# KiCad board mx-corne-xiao_Encoder_extrakey.kicad_pcb
title: mx-corne-xiao-zero; date: 2024-09-09; rev: 2.1; note: Author : Friction
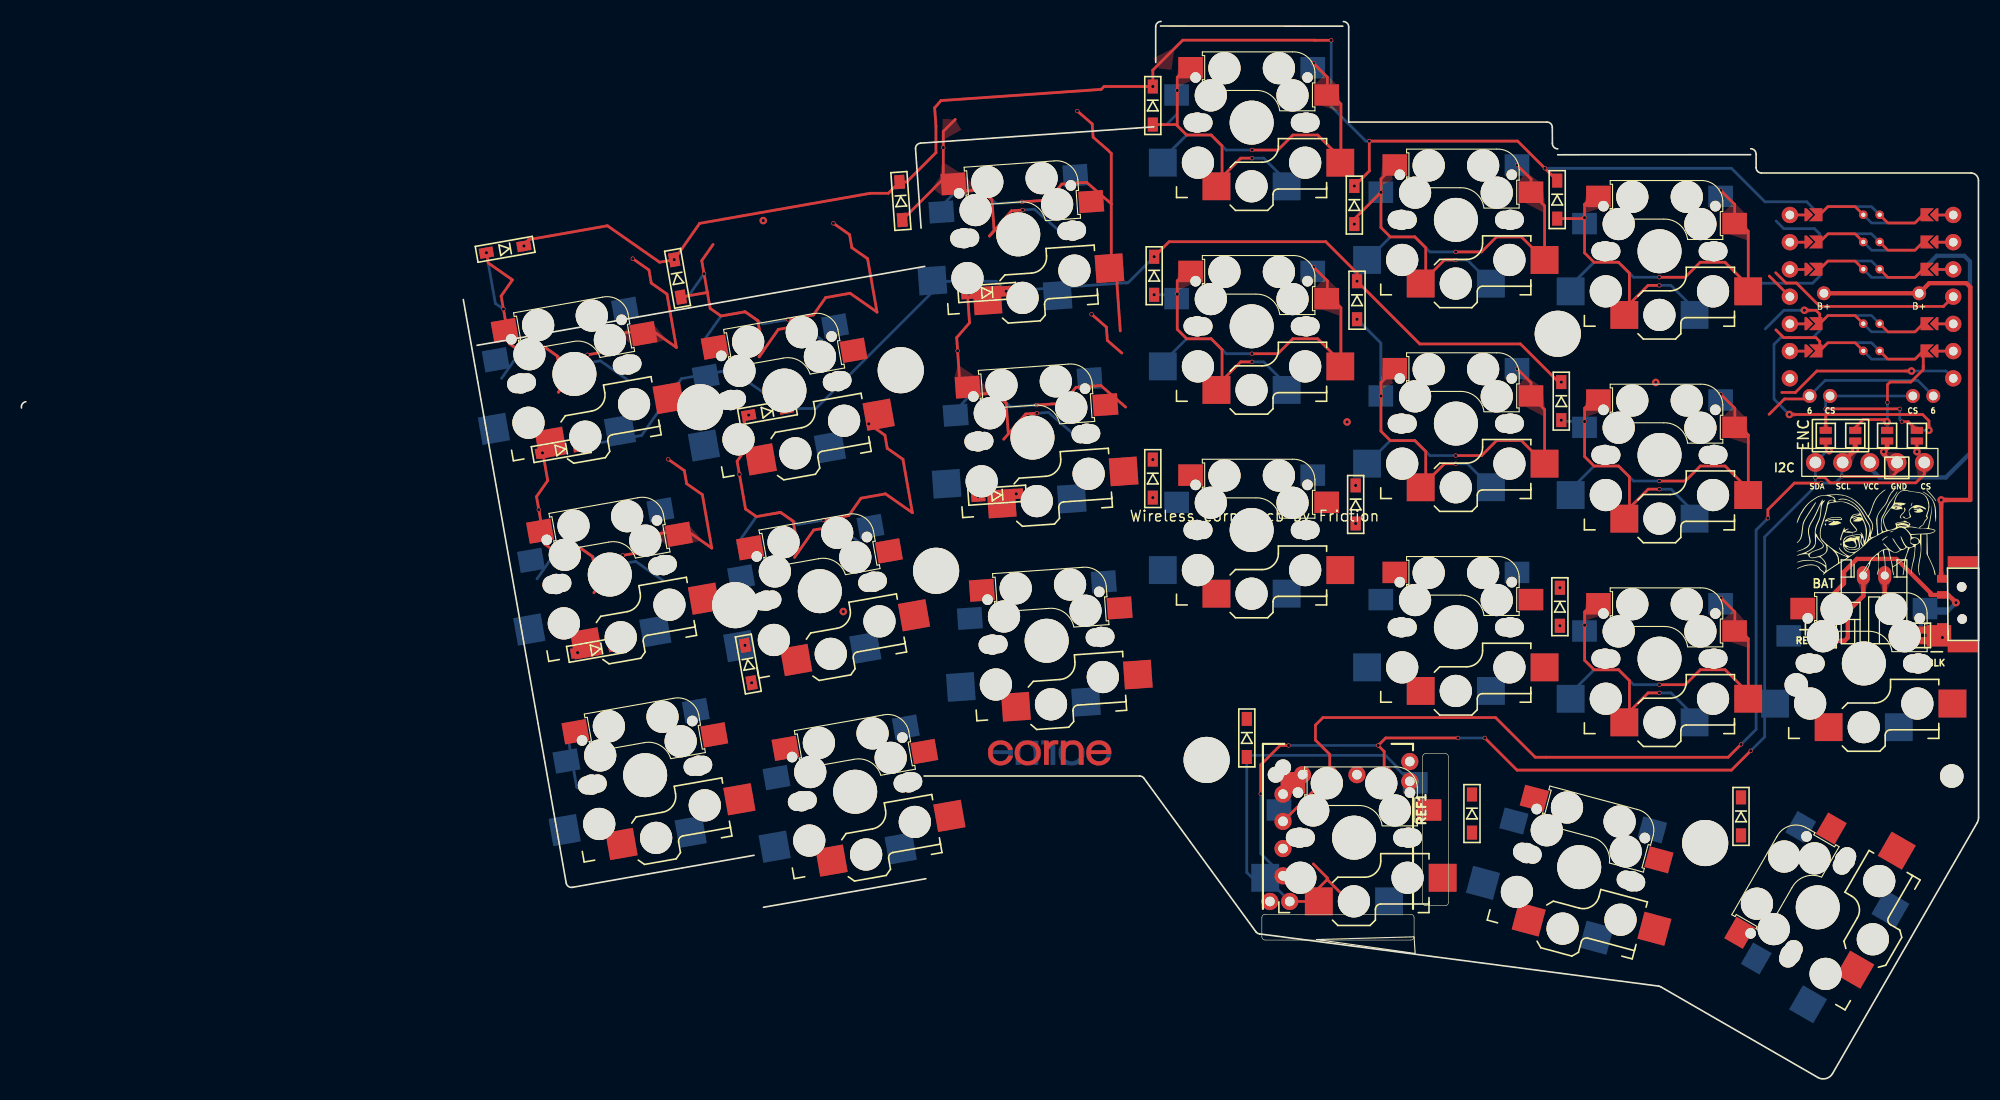
[diagram p0: board, top side]
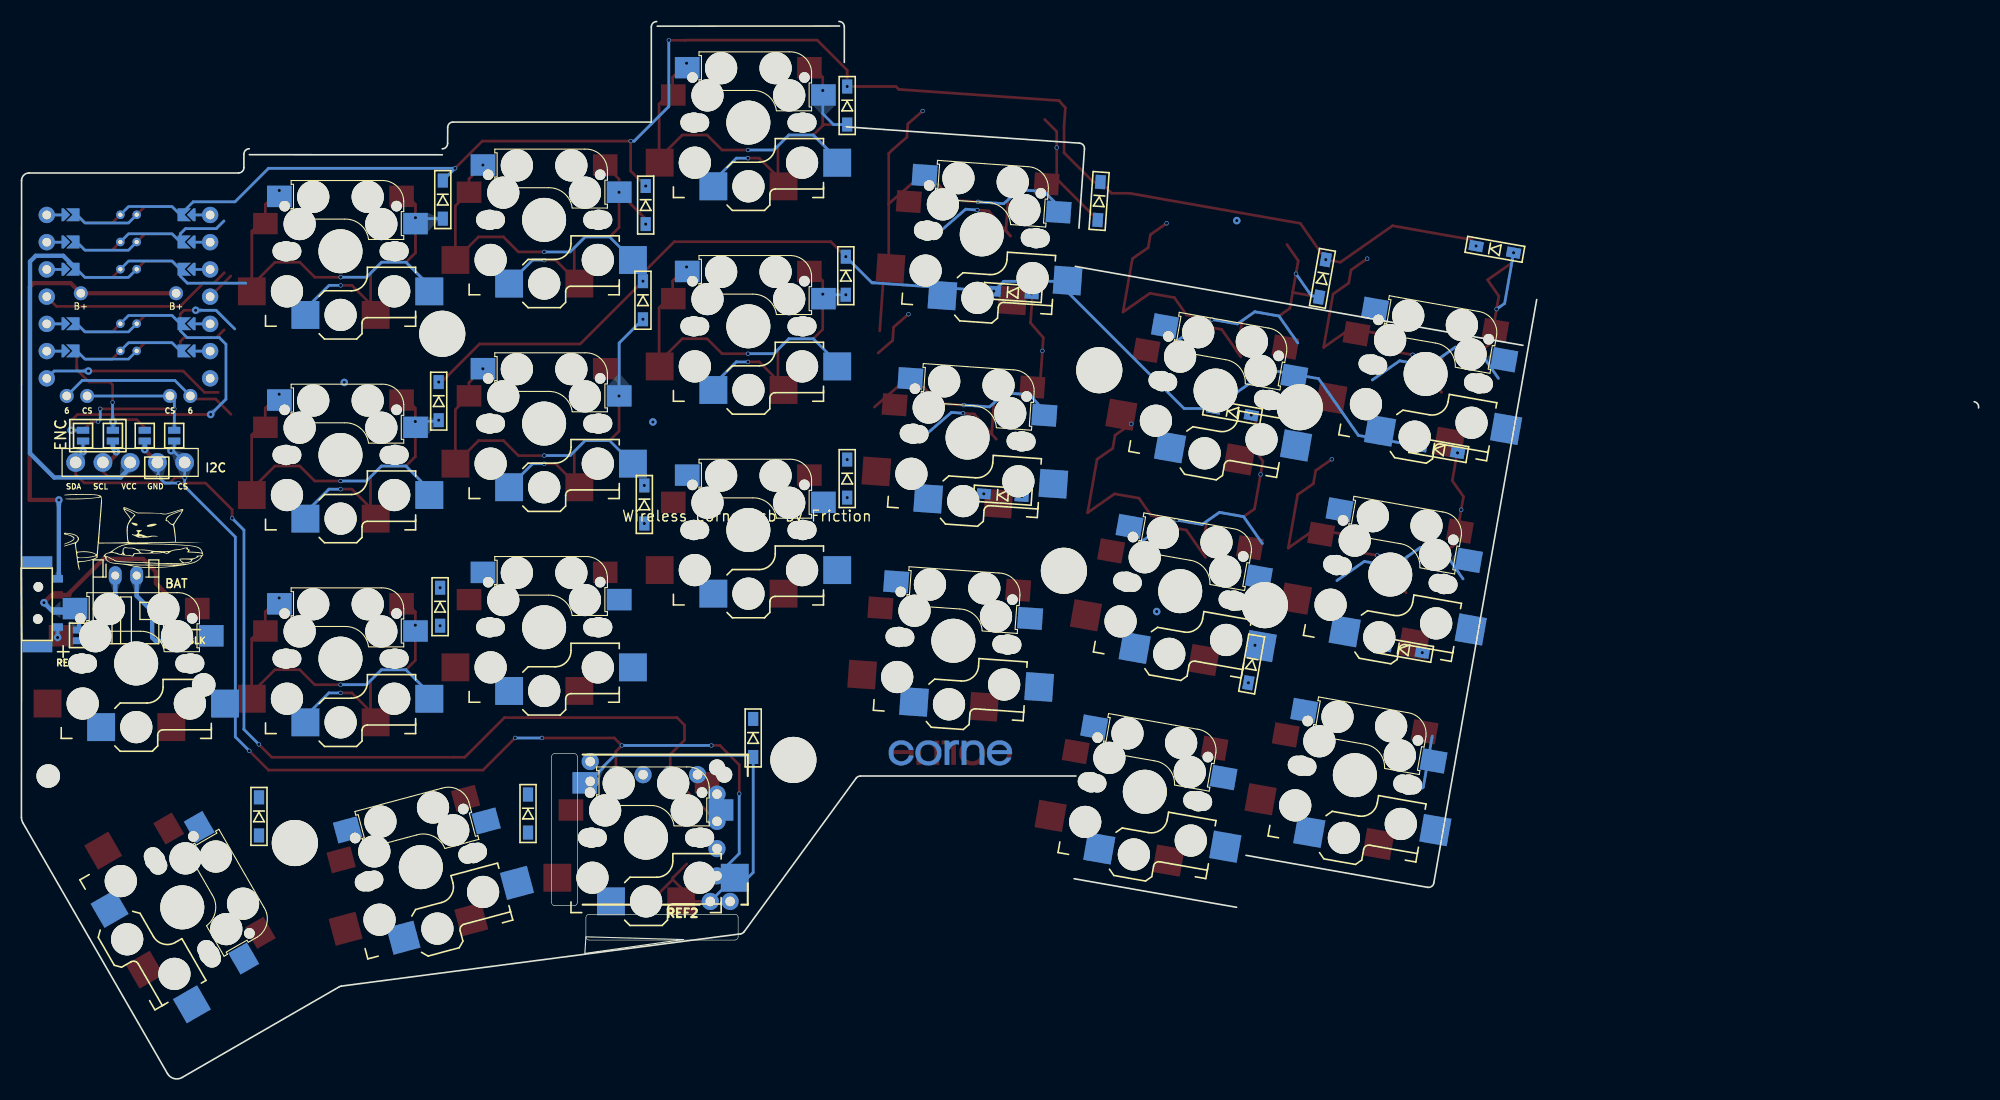
[diagram p1: board, bottom side, seen from below]

Outline 182.55 x 98.61 mm; copper layers: Top, Bottom. Coordinates in mm from the lower left corner of the outline.
Outline path: 129.9,13.22 130,11.67 120.8,12.97 closed ; 0,62.56 arc(0.08,62.93) 0.41,63.13 ; 41.21,72.66 50.81,18.24 arc(51.02,17.92) 51.39,17.84 68.33,20.83 ; 69.21,15.98 84.36,18.64 ; 83.91,79.33 83.39,86.72 arc(83.52,87.08) 83.86,87.25 105.62,88.78 ; 84.25,75.76 42.5,68.4 ; 84.19,28.22 104.29,28.22 arc(104.52,28.17) 104.7,28.01 115.14,13.69 arc(115.29,13.56) 115.48,13.49 152.71,8.62 arc(152.8,8.6) 152.9,8.56 167.56,0.1 arc(168.32,0) 168.93,0.47 182.41,23.86 arc(182.51,24.1) 182.55,24.36 182.54,83.77 arc(182.33,84.27) 181.84,84.47 162.3,84.47 arc(161.94,84.62) 161.8,84.97 161.8,86.22 arc(161.65,86.58) 161.3,86.73 ; 105.79,94.78 105.79,98.11 arc(105.94,98.46) 106.29,98.61 ; 123.25,98.17 106.24,98.18 ; 123.3,98.6 arc(123.65,98.45) 123.8,98.1 123.8,89.22 142.29,89.22 arc(142.64,89.08) 142.79,88.73 142.8,87.22 arc(142.94,86.87) 143.3,86.72 ; 161.29,86.18 143.29,86.17
Stack: Top 0.035mm / dielectric 1.51mm FR4 er 4.5 / Bottom 0.035mm

## Placement (name value [footprint] x y rotation side)
BT1  JST Connector  [JST_PH_reversible]  171.8 46.92 0 top
D1  D  [1N4148_SMD_both_side]  45.12 77.35 190 top
D2  D  [1N4148_SMD_both_side]  61.2 74.64 280 top
D3  D  [1N4148_SMD_both_side]  82.03 81.86 274 top
D4  D  [1N4148_SMD_both_side]  105.53 90.76 270 top
D5  D  [1N4148_SMD_both_side]  124.32 81.48 270 top
D6  D  [1N4148_SMD_both_side]  143.24 81.99 270 top
D7  D  [1N4148_SMD_both_side]  50.34 58.67 190 top
D8  D  [1N4148_SMD_both_side]  69.58 62.19 190 top
D9  D  [1N4148_SMD_both_side]  90.08 73.32 184 top
D10  D  [1N4148_SMD_both_side]  105.65 74.89 270 top
D11  D  [1N4148_SMD_both_side]  124.58 72.6 270 top
D12  D  [1N4148_SMD_both_side]  143.63 63.19 270 top
D13  D  [1N4148_SMD_both_side]  53.63 40.03 190 top
D14  D  [1N4148_SMD_both_side]  67.8 38.66 280 top
D15  D  [1N4148_SMD_both_side]  91.02 54.42 184 top
D16  D  [1N4148_SMD_both_side]  105.53 55.96 270 top
D17  D  [1N4148_SMD_both_side]  124.45 53.55 270 top
D18  D  [1N4148_SMD_both_side]  143.5 44.01 270 top
D19  D  [1N4148_SMD_both_side]  114.3 31.77 270 top
D20  D  [1N4148_SMD_both_side]  135.3 24.72 270 top
D21  D  [1N4148_SMD_both_side]  160.39 24.45 270 top
G***  LOGO  [corne-logo-horizontal]  96.02 30.3 0 top
G***#2  -  [LOGO]  172.1 50.97 0 top
G***#3  LOGO  [corne-logo-horizontal]  96.02 30.3 0 top
G***#4  LOGO  [corne-logo-horizontal]  95.79 30.3 180 bottom
G***#5  LOGO  [corne-logo-horizontal]  95.79 30.3 180 bottom
G***#6  -  [LOGO]  172.08 51.39 180 bottom
H1  MountingHole  [M2_HOLE_v2]  63.31 62.62 10 top
H2  MountingHole  [M2_HOLE_v2#3]  82.16 66.74 0 top
H3  MountingHole  [M2_HOLE_v2]  143.3 69.47 0 top
H4  MountingHole  [M2_HOLE_v2]  66.57 44.16 10 top
H5  MountingHole  [M2_HOLE_v2#2]  84.14 47.99 0 top
H6  MountingHole  [M2_HOLE_v2]  110.55 29.72 0 top
H7  MountingHole  [M2_HOLE_v2]  157.05 21.97 0 top
H8  MountingHole  [M2_HOLE_v2#4]  165.55 36.72 0 top
H9  MountingHole  [M2_HOLE_v2#4]  180.05 28.22 0 top
J1  OLED  [nice_view]  172.41 72.99 0 top
JP1  Device_Jumper_NO_Small  [Jumper]  168.39 41.33 90 bottom
JP2  Device_Jumper_NO_Small  [Jumper]  168.39 41.33 90 top
JP3  Device_Jumper_NO_Small  [Jumper]  177.18 41.34 90 bottom
JP4  Device_Jumper_NO_Small  [Jumper]  177.18 41.34 90 top
JP5  Device_Jumper_NO_Small  [Jumper]  176.8 59.97 90 top
JP6  Device_Jumper_NO_Small  [Jumper]  174.02 59.97 90 top
JP7  Device_Jumper_NO_Small  [Jumper]  171.05 59.97 90 top
JP8  Device_Jumper_NO_Small  [Jumper]  168.3 59.97 90 top
JP9  Device_Jumper_NO_Small  [Jumper]  176.8 59.97 90 bottom
JP10  Device_Jumper_NO_Small  [Jumper]  174.02 59.97 90 bottom
JP11  Device_Jumper_NO_Small  [Jumper]  171.05 59.97 90 bottom
JP12  Device_Jumper_NO_Small  [Jumper]  168.3 59.97 90 bottom
PSW1  SW_SPDT  [MSK12C02_reversible]  182.37 48.11 180 bottom
REF1  -  [RollerEncoder_Panasonic_EVQWGD001]  123.3 22.72 270 top
REF2  -  [RollerEncoder_Panasonic_EVQWGD001]  123.3 22.72 0 bottom
SW1  SW_PUSH  [1U_cherry_mx_kailh_choc_hotswap_combo]  51.58 65.72 190 top
SW2  SW_PUSH  [1U_cherry_mx_kailh_choc_hotswap_combo]  71.17 64.17 190 top
SW3  SW_PUSH  [1U_cherry_mx_kailh_choc_hotswap_combo]  92.97 78.74 184 top
SW4  SW_PUSH  [1U_cherry_mx_kailh_choc_hotswap_combo]  114.75 89.17 180 top
SW5  SW_PUSH  [1U_cherry_mx_kailh_choc_hotswap_combo]  133.8 80.1 180 top
SW6  SW_PUSH  [1U_cherry_mx_kailh_choc_hotswap_combo]  152.79 77.17 180 top
SW7  SW_PUSH  [1U_cherry_mx_kailh_choc_hotswap_combo]  54.88 47.01 190 top
SW8  SW_PUSH  [1U_cherry_mx_kailh_choc_hotswap_combo]  74.47 45.46 190 top
SW9  SW_PUSH  [1U_cherry_mx_kailh_choc_hotswap_combo]  94.3 59.79 184 top
SW10  SW_PUSH  [1U_cherry_mx_kailh_choc_hotswap_combo]  114.75 70.17 180 top
SW11  SW_PUSH  [1U_cherry_mx_kailh_choc_hotswap_combo]  133.8 61.1 180 top
SW12  SW_PUSH  [1U_cherry_mx_kailh_choc_hotswap_combo]  152.79 58.17 180 top
SW13  SW_PUSH  [1U_cherry_mx_kailh_choc_hotswap_combo]  58.18 28.3 190 top
SW14  SW_PUSH  [1U_cherry_mx_kailh_choc_hotswap_combo]  77.76 26.75 190 top
SW15  SW_PUSH  [1U_cherry_mx_kailh_choc_hotswap_combo]  95.63 40.84 184 top
SW16  SW_PUSH  [1U_cherry_mx_kailh_choc_hotswap_combo]  114.75 51.17 180 top
SW17  SW_PUSH  [1U_cherry_mx_kailh_choc_hotswap_combo]  133.8 42.1 180 top
SW18  SW_PUSH  [1U_cherry_mx_kailh_choc_hotswap_combo]  152.79 39.17 180 top
SW18#2  SW_PUSH  [1U_cherry_mx_kailh_choc_hotswap_combo]  171.85 38.72 180 top
SW19  SW_PUSH  [1U_cherry_mx_kailh_choc_hotswap_combo]  124.3 22.47 180 top
SW20  SW_PUSH  [1U_cherry_mx_kailh_choc_hotswap_combo]  145.3 19.72 165 top
SW21  SW_PUSH  [1U_cherry_mx_kailh_choc_hotswap_combo]  167.55 15.97 240 top
U1  xiao-ble  [xiao-rev]  172.57 72.93 0 top

## Library data of the parts
D1-D21 = -: ki_fp_filters: TO-???* *_Diode_* *SingleDiode* D_*
H1-H9 = -: ki_fp_filters: MountingHole*
J1 = -: ki_fp_filters: Connector*:*_1x??_*
JP1-JP12 = -: ki_fp_filters: SolderJumper*Open*

## Footprints (pads in the part's own frame, mm; a bottom-side part is the same pattern mirrored in y, then rotated)
1N4148_SMD_both_side
  rect 1.3x0.95 smd: 1(-1.775,0) 2(1.775,0)
  rect 1.3x0.95 smd far side: 1(-1.775,0) 2(1.775,0)
1U_cherry_mx_kailh_choc_hotswap_combo
  round 1.702 hole 1.702 unplated: (-5.49,-0.01) (5.51,-0.01)
  round 0.991 hole 0.991 unplated: (-5.21,-4.21) (5.23,-4.21)
  round 1.9 hole 1.9 unplated: (-5.08,0) (5.08,0)
  round 3 hole 3 unplated: (-4.99,3.74) (-3.81,-2.54) (-2.54,-5.08) (0.01,5.94) (2.54,-5.08) (3.81,-2.54) (5.01,3.74)
  round 1.7 hole 1.7 unplated: (-4.5,0) (4.5,0)
  round 4.1 hole 4.1 unplated: (0,0)
  round 3.429 hole 3.429 unplated: (0.01,-0.01)
  rect 2.6x2.6 smd: 1(-8.265,3.74) 2(3.285,5.94)
  rect 2.3x2 smd: 1(-7,-2.58) 2(5.7,-5.12)
  rect 2.3x2 smd far side: 1(-5.7,-5.12) 2(7,-2.58)
  rect 2.6x2.6 smd far side: 1(8.285,3.74) 2(-3.265,5.94)
JST_PH_reversible
  oval 1.2x1.75 hole 0.75: 1(0,0) 2(2,0)
Jumper
  rect 0.635x1.143 smd: 1(-0.5,0) 2(0.5,0)
M2_HOLE_v2
  round 4.3 hole 4.3 unplated: (0,0)
M2_HOLE_v2#4
  round 2.2 hole 2.2 unplated: (0,0)
M2_HOLE_v2#2
  round 4.3 hole 4.3 unplated: (1.177,-0.622)
M2_HOLE_v2#3
  round 4.3 hole 4.3 unplated: (-0.148,-0.669)
MSK12C02_reversible
  round 0.9 hole 0.9 unplated: (1.35,-5.25) (1.4,-2.25)
  rect 1x0.7 smd far side: 1(3.2,-1.5) 2(3.2,-3) 3(3.2,-6)
  rect 1x0.7 smd: 1(3.2,-1.5) 2(3.2,-4.5) 3(3.2,-6)
  rect 2.8x1 smd far side: NC(1.3,-7.85) NC(1.3,0.1)
  rect 2.8x1 smd: NC(1.3,-7.85) NC(1.3,0.1)
nice_view
  round 1.753 hole 1.092: 1(-5.08,-15.524) 2(-2.54,-15.524) 3(0,-15.524) 4(2.54,-15.524) 5(5.08,-15.524)
RollerEncoder_Panasonic_EVQWGD001
  round 1.5 hole 1.5 unplated: (-5.625,-6.3)
  round 1.6 hole 0.9: A(-5.625,3.81) B(-5.625,1.27) C(-5.625,-1.27) D(-5.625,-3.81) S1(-6.85,6.2) S2(-5,6.2)
xiao-rev
  round 1.524 hole 0.813: (-7.62,7.62) (-7.62,5.08) (-7.62,2.54) (-7.62,-2.54) (-7.62,-5.08) (7.62,7.62) (7.62,5.08) (7.62,2.54) (7.62,-2.54) (7.62,-5.08) 4(-7.62,0) 7(-7.62,-7.62) 8(7.62,-7.62) 11(7.62,0)
  rect 1.44x0.25 smd: (-6.69,7.622) (-6.67,5.08) (-6.67,2.54) (-6.67,-2.54) (-6.67,-5.08) (6.67,7.62) (6.67,5.08) (6.67,2.54) (6.67,-2.54) (6.67,-5.08)
  rect 1.44x0.25 smd far side: (-6.69,7.62) (-6.67,5.08) (-6.67,2.54) (-6.67,-2.54) (-6.67,-5.08) (6.67,7.62) (6.67,5.08) (6.67,2.54) (6.67,-2.54) (6.67,-5.08)
  custom 0.8x1.2 smd: (-5.85,7.64) (-5.85,5.1) (-5.85,2.56) (-5.85,-2.52) (-5.85,-5.06) (5.834,7.64) (5.834,5.1) (5.834,2.56) (5.834,-2.52) (5.834,-5.06)
  custom 0.8x1.2 smd far side: (-5.85,7.64) (-5.85,5.1) (-5.85,2.56) (-5.85,-2.52) (-5.85,-5.06) (5.834,7.64) (5.834,5.1) (5.834,2.56) (5.834,-2.52) (5.834,-5.06)
  custom 1.25x1.2 smd far side: 1(-4.834,7.64) 2(-4.834,5.1) 3(-4.834,2.56) 5(-4.834,-2.52) 6(-4.834,-5.06) 9(4.818,-5.06) 10(4.818,-2.52) 12(4.818,2.56) 13(4.818,5.1) 14(4.818,7.64)
  custom 4.314x1.016 smd: 1(0.754,7.64) 2(0.754,5.1) 3(0.754,2.56) 5(0.754,-2.52) 6(0.754,-5.06)
  custom 5.838x1.016 smd far side: 1(0.754,7.64) 2(0.754,5.1) 3(0.754,2.56) 5(0.754,-2.52) 6(0.754,-5.06) 9(-0.77,-5.06) 10(-0.77,-2.52) 12(-0.77,2.56) 13(-0.77,5.1) 14(-0.77,7.64)
  round 0.8 hole 0.4: 1(0.754,7.64) 2(0.754,5.1) 3(0.754,2.56) 5(0.754,-2.52) 6(0.754,-5.06) 9(-0.77,-5.06) 10(-0.77,-2.52) 12(-0.77,2.56) 13(-0.77,5.1) 14(-0.77,7.64)
  custom 1.25x1.2 smd: 1(4.818,7.64) 2(4.818,5.1) 3(4.818,2.56) 5(4.818,-2.52) 6(4.818,-5.06) 9(-4.834,-5.06) 10(-4.834,-2.52) 12(-4.834,2.56) 13(-4.834,5.1) 14(-4.834,7.64)
  custom 4.314x1.012 smd: 9(-0.77,-5.06) 10(-0.77,-2.52) 12(-0.77,2.56) 13(-0.77,5.1) 14(-0.77,7.64)
  round 1.3 hole 0.813: 15(-3.87,-9.26) 15(3.852,-9.26) 16(-5.775,-9.26) 16(5.757,-9.26) B+(-4.445,0.317) B+(4.445,0.317)

## Nets
GND: JP1.2 JP4.2 JP6.2 JP11.2 REF1.B REF2.B U1.13
VCC: J1.3 U1.12
/PAD1: BT1.1 JP1.1 JP2.1
/PAD2: BT1.2 JP3.1 JP4.1
/PSW: JP2.2 JP3.2 PSW1.2
BAT+: PSW1.1 U1.B+
COL0: SW6.1 SW12.1 SW18.1 U1.8
COL1: SW5.1 SW11.1 SW17.1 SW21.1 U1.7
COL2: SW4.1 SW10.1 SW16.1 SW20.1 U1.9
COL3: REF1.S1 REF2.S1 SW3.1 SW9.1 SW15.1 SW19.1 U1.4
COL4: SW2.1 SW8.1 SW14.1 U1.11
COL5: SW1.1 SW7.1 SW13.1 U1.16
CS: JP5.2 JP12.2 U1.15
ROW0: D1.1 D2.1 D3.1 D4.1 D5.1 D6.1 U1.1
ROW1: D7.1 D8.1 D9.1 D10.1 D11.1 D12.1 U1.2
ROW2: D13.1 D14.1 D15.1 D16.1 D17.1 D18.1 U1.3
ROW3: D19.1 D20.1 D21.1 U1.10
SCL: JP7.2 JP10.2 U1.6
SDA: JP8.2 JP9.2 U1.5
Net-(D1-A): D1.2 SW1.2
Net-(D2-A): D2.2 SW2.2
Net-(D3-A): D3.2 SW3.2
Net-(D4-A): D4.2 SW4.2
Net-(D5-A): D5.2 SW5.2
Net-(D6-A): D6.2 SW6.2
Net-(D7-A): D7.2 SW7.2
Net-(D8-A): D8.2 SW8.2
Net-(D9-A): D9.2 SW9.2
Net-(D10-A): D10.2 SW10.2
Net-(D11-A): D11.2 SW11.2
Net-(D12-A): D12.2 SW12.2
Net-(D13-A): D13.2 SW13.2
Net-(D14-A): D14.2 SW14.2
Net-(D15-A): D15.2 SW15.2
Net-(D16-A): D16.2 SW16.2
Net-(D17-A): D17.2 SW17.2
Net-(D18-A): D18.2 SW18.2
Net-(D19-A): D19.2 REF1.S2 REF2.S2 SW19.2
Net-(D20-A): D20.2 SW20.2
Net-(D21-A): D21.2 SW21.2
Net-(J1-Pin_4): J1.2 J1.4 JP6.1 JP7.1 JP10.1 JP11.1 REF1.C REF2.C
Net-(J1-Pin_5): J1.1 J1.5 JP5.1 JP8.1 JP9.1 JP12.1 REF1.A REF2.A

Pads without a net: PSW1 3 NC; REF1 D; REF2 D; SW18#2 1 2; U1 14

## Via types
v1: diameter 0.7, hole 0.3, Top to Bottom, 17 vias
v2: diameter 0.4, hole 0.3, Top to Bottom, 100 vias

## Routing (per net, layer and track width the routed paths; a pad name or vN(x,y) marks a point on that pad's centre or on a via; arc(x,y) is an arc through that point)
GND: length 61.2
  Top w0.254: 102.49,69.74 102.14,74.79 101.65,75.27 101.65,86.29 101.31,86.63 99.96,87.81 99.87,89.04 v2(98.49,90.25) ; v2(93.34,81.78) 95.74,81.94 97.04,83.43 99.35,83.6 101.66,81.59 ; 102.99,62.64 100.68,64.64 98.37,64.48 97.07,62.99 v2(94.66,62.82)
  Bottom w0.254: 85.14,80.44 85.14,80.73 87.16,82.74 89.44,82.9 90.93,81.61 v2(93.34,81.78) ; 86.48,61.48 88.48,63.79 90.76,63.95 92.26,62.65 v2(94.66,62.82)
  vias: v1(69.19,80.03) v1(76.66,43.56) v1(95.55,53.16) v1(123.65,61.25) v1(152.44,64.93)
VCC: length 63
  Top w0.254: v2(71.5,70.81) 73.88,71.23 75.01,72.85 77.29,73.25 79.8,71.5 78.92,76.47 77.46,77.5 77.24,78.72 v2(75.73,79.78)
  Bottom w0.254: v2(71.5,70.81) 69.12,70.39 67.51,71.52 65.26,71.13 63.5,68.62
  Bottom w0.4: 177.39,75.49 178.64,76.74 181.21,76.74 181.75,76.21 181.75,58.32 179.5,56.07 173.31,56.07 172.41,56.97
/PAD1: length 17
  Top w0.4: JP1.1 170.05,40.83 170.36,41.14 170.36,43.58 171.8,45.02 BT1.1
  Bottom w0.4: JP1.1 170.05,40.83 170.36,41.14 170.36,43.58 171.8,45.02 BT1.1
/PAD2: length 16.8
  Top w0.4: BT1.2 173.8,45.03 175.24,43.59 175.24,41.17 175.57,40.84 JP4.1
  Bottom w0.4: JP3.1 175.58,40.84 175.24,41.18 175.24,43.59 173.8,45.03 BT1.2
/PSW: length 23.8
  Top w0.4: v1(180.45,44.39) 179.73,45.11 178.08,45.11 178.08,45.29 174.9,48.47 171.2,48.47 170,47.27 170,46.18 168.39,44.57 JP2.2
  Bottom w0.4: PSW1.2 179.67,43.61 v1(180.45,44.39) ; JP3.2 177.18,42.98 177.81,43.61 179.18,43.61
BAT+: length 51.6
  Top w0.4: 168.12,73.25 U1.B+ 177.95,74.19 181.4,74.19 181.78,73.82 181.78,53.97 v1(179.06,53.97) 179.06,46.73 PSW1.1
  Bottom w0.4: PSW1.1 179.06,46.73 v1(179.06,53.97)
COL0: length 105.1
  Top w0.254: v2(158.5,82.84) 159.8,81.54 159.8,80.3 161.06,79.04 161.06,73.98 158.9,76.14 156.58,76.14 155.18,74.75 v2(152.77,74.75) ; v2(152.78,55.74) 155.19,55.74 156.59,57.13 158.91,57.13 161.07,54.97 161.07,60.03 159.81,61.29 159.81,62.53 v2(158.51,63.83) ; v2(152.78,36.74) 155.19,36.74 156.59,38.13 158.91,38.13 161.07,35.97 161.07,41.03 159.81,42.29 159.81,43.53 v2(158.51,44.83) ; v1(176.3,66) 167.46,66 165.47,64 164.2,64
  Bottom w0.254: v2(152.78,36.74) 150.37,36.74 148.97,38.13 146.68,38.13 144.52,35.97 ; 144.52,54.97 146.68,57.13 148.97,57.13 150.37,55.74 v2(152.78,55.74) ; 144.51,73.98 146.67,76.14 148.96,76.14 150.36,74.75 v2(152.77,74.75) ; 180.01,65.49 179.5,66 v1(176.3,66)
COL1: length 58.8
  Top w0.254: v2(133.78,58.11) 136.19,58.11 137.59,59.51 139.91,59.51 142.07,57.35 142.07,62.4 140.81,63.67 140.81,64.91 v2(139.51,66.21) ; v2(139.51,85.21) 140.81,83.91 140.81,82.67 142.07,81.4 142.07,76.35 139.91,78.51 137.59,78.51 136.19,77.11 v2(133.78,77.11)
  Bottom w0.254: v2(133.78,58.11) 131.37,58.11 129.97,59.51 127.68,59.51 125.52,57.35 ; v2(133.78,77.11) 131.37,77.11 129.97,78.51 127.68,78.51 125.52,76.35
COL2: length 64.3
  Top w0.254: 167.73,67.87 167.73,68.75 167.37,69.11 164.87,69.11 164.87,69.11 164.37,69.11 163.64,69.84 ; v2(120.51,75.71) 121.81,74.41 121.81,73.17 123.07,71.9 123.07,66.85 120.91,69.01 118.59,69.01 117.19,67.61 v2(114.78,67.61) ; v2(114.78,86.61) 117.19,86.61 118.59,88.01 120.91,88.01 123.07,85.85 123.07,90.9 121.81,92.17 121.81,93.41 v2(120.51,94.71)
  Bottom w0.254: v2(114.78,86.61) 112.37,86.61 110.97,88.01 108.68,88.01 106.52,85.85 ; v2(114.78,67.61) 112.37,67.61 110.97,69.01 108.68,69.01 106.52,66.85
COL3: length 7.6
  Top w0.254: 163.03,74.85 U1.4 ; 102.63,67.68 101.28,68.85 101.2,70.09 v2(99.81,71.3)
COL4: length 47.7
  Top w0.254: v2(79.03,61.06) 80.54,60.01 80.76,58.79 82.22,57.76 83.1,52.78 80.59,54.54 78.31,54.14 77.18,52.52 v2(74.8,52.1) ; U1.11 179.27,72.02 167.75,72.02 165.56,74.2 164.59,74.2 163.63,75.17
  Bottom w0.254: 66.8,49.91 68.55,52.42 70.8,52.81 72.42,51.68 v2(74.8,52.1)
COL5: length 75.7
  Top w0.254: v2(57.02,76.48) 58.53,75.42 58.74,74.2 60.21,73.18 61.09,68.2 58.58,69.95 56.3,69.55 55.17,67.93 v2(52.79,67.51) ; 166.51,63.39 164.44,63.39 163.01,61.96 ; v2(56.09,48.8) 58.46,49.22 59.6,50.84 61.88,51.24 64.39,49.49 63.51,54.46 62.04,55.49 61.83,56.71 v2(60.32,57.77)
  Bottom w0.254: 178.32,63.67 176.88,65.12 168.24,65.12 166.79,63.67 ; v2(52.79,67.51) 50.41,67.09 48.79,68.23 46.54,67.83 44.79,65.32 ; v2(56.09,48.8) 53.71,48.38 52.09,49.51 49.84,49.12 48.09,46.61
CS: length 21
  Top w0.254: JP5.2 176,61.27 v2(175.4,61.27) ; v2(168.29,62.47) v2(175.2,62.47)
  Bottom w0.254: JP12.2 168.29,60.48 v2(168.29,62.47) 168.29,63.26 168.7,63.67 ; 168.7,63.67 176.41,63.67 ; v2(175.2,62.47) 175.2,61.47 v2(175.4,61.27)
ROW0: length 151.8
  Top w0.254: D1.1 v2(46.87,77.66) 47.28,78.25 54.66,79.55 59.52,76.15 v2(60.89,76.39) 63.26,79.77 79.14,82.57 80.85,82.57 D3.1 82.57,83.63 85.3,86.36 85.3,88.82 85.18,90.55 85.77,91.22 100.71,92.27 100.98,92.54 v2(105.53,92.54) 105.53,94.06 108.32,96.86 120.64,96.86 120.65,96.84 v2(122.16,96.84) ; D6.1 v2(142.1,84.91) 139.56,87.45 v2(125.72,87.45) 125.72,84.65 v2(124.32,83.25)
  Bottom w0.254: U1.1 166.53,81.78 162.63,81.78 159.5,84.91 142.1,84.91 v2(142.1,84.91) D6.1 ; v2(122.16,96.84) 122.16,90.68 125.39,87.45 v2(125.72,87.45)
ROW1: length 113.8
  Top w0.254: v2(143.63,64.96) 143.37,64.96 139.82,68.52 130.43,68.52 v2(124.58,74.38) 124.58,75.14 121.65,78.06 107.05,78.06 v2(105.65,76.66)
  Bottom w0.254: 167.24,79.28 164.37,79.28 163.66,79.99 ; 167.24,79.28 167.73,78.79 167.73,78.03 ; v2(52.09,58.98) 57.85,59.99 61.56,65.29 66.18,66.1 v2(71.33,62.5) 74.1,62.5 85.97,74.37 90.92,74.37 v2(91.85,73.44) 102.99,74.22 ; v2(105.65,76.66) 103.21,74.22 102.99,74.22 ; 102.99,74.22 103.13,74.23
ROW2: length 7
  Bottom w0.254: U1.3 167.73,74.86 167.07,74.19 161.63,74.19
  vias: v2(55.38,40.34) v2(67.49,40.41) v2(92.79,54.54) v2(105.53,57.74) v2(124.45,55.33) v2(143.5,45.79)
ROW3: length 6.8
  Top w0.254: U1.10 167.73,71.31 167.38,71.66 v1(166.3,71.66)
  Bottom w0.254: 162.66,69.93 164.39,71.66 v1(166.3,71.66)
SCL: length 13.7
  Top w0.254: 177.38,66.47 177.38,67.87 ; 177.38,66.47 177.38,66.28 ; 177.38,66.47 177.38,66.13 176.23,64.97 174.3,64.97 174.05,64.72 v2(174.05,63.07) ; v1(174.01,61.27) 173.8,61.47 171.8,61.47 171.05,60.72 JP7.2
  Bottom w0.254: v2(174.05,63.07) 174.05,61.31 v1(174.01,61.27) 174.02,61.26 JP10.2
SDA: length 29.3
  Top w0.254: JP8.2 168.3,61.94 ; v1(177.92,60.47) 177.92,61.35 177.32,61.94 v1(164.9,61.94)
  Bottom w0.254: v1(164.9,61.94) 163.47,63.37 163.47,68.5 164.09,69.11 167.09,69.11 167.73,69.76 U1.5 ; v1(177.92,60.47) JP9.2
Net-(D1-A): length 32.7
  Top w0.254: 45.78,74.51 43.54,76.08 v2(43.37,77.03) D1.2 ; v2(52.92,66.76) 51.88,66.58 50.1,64.02 50.47,64.56 49.97,67.4 48.79,68.23 46.54,67.83 45.53,68.54 v2(44.96,71.77) 44.74,72.99 45.8,74.5
  Bottom w0.254: 44.95,71.78 44.2,72.3 D1.2 ; 56.55,65.16 53.99,66.95 v2(52.92,66.76)
Net-(D2-A): length 29
  Top w0.254: 63.98,73.32 64.24,71.84 65.25,71.13 67.51,71.52 68.68,70.7 69.18,67.86 68.81,67.32 70.59,69.88 v2(71.63,70.06) ; 63.98,73.32 63.97,73.33 D2.2 ; 63.98,73.32 v2(63.67,75.07) 63.45,76.29 64.51,77.8
  Bottom w0.254: v2(63.67,75.07) 62.23,73.02 D2.2 ; 75.26,68.46 72.7,70.25 v2(71.63,70.06)
Net-(D3-A): length 28.7
  Top w0.254: v2(93.39,81.02) 92.34,80.94 90.29,78.59 90.72,79.08 90.52,81.96 89.44,82.9 87.16,82.74 85.98,83.92 ; 85.98,83.92 v2(85.98,86.84) 85.98,88.34 87.1,89.46 ; 85.98,83.92 85.98,83.92 D3.2
  Bottom w0.254: v2(93.39,81.02) 94.48,81.09 96.83,79.05
Net-(D4-A): length 30.4
  Top w0.254: 107.81,88.89 107.71,88.99 D4.2 ; 107.81,88.89 v2(107.81,92.17) 107.81,93.41 109.11,94.71 ; 107.81,88.89 108.68,88.01 110.97,88.01 111.99,86.99 111.99,84.11 111.52,83.65 113.73,85.85 v2(114.78,85.85)
  Bottom w0.254: 107.8,92.18 107.8,89.98 106.8,88.99 D4.2 ; 118.07,83.65 115.87,85.85 v2(114.78,85.85)
Net-(D5-A): length 27.5
  Top w0.254: v2(133.78,76.35) 132.73,76.35 130.52,74.15 130.99,74.61 130.99,77.49 129.97,78.51 127.68,78.51 126.81,79.39 v2(126.81,82.67) ; v2(126.81,82.67) 124.32,80.18 v2(124.32,79.7) ; v2(126.81,82.67) 126.81,83.91 128.11,85.21
  Bottom w0.254: v2(133.78,76.35) 134.87,76.35 137.07,74.15 ; v2(126.81,82.67) 126.64,82.5
Net-(D6-A): length 28.4
  Top w0.254: D6.2 145.6,80.21 145.69,80.3 v2(145.8,80.3) ; v2(145.8,80.3) 145.8,77.02 146.67,76.14 148.96,76.14 149.98,75.13 149.98,72.24 149.51,71.78 151.72,73.98 v2(152.77,73.98) ; v2(145.8,80.3) 145.8,81.54 147.1,82.84
  Bottom w0.254: 156.06,71.78 153.86,73.98 v2(152.77,73.98) ; D6.2 144.77,80.21 144.86,80.3 v2(145.8,80.3)
Net-(D7-A): length 25.2
  Top w0.254: 49.08,55.79 48.64,58.33 v2(48.6,58.36) ; v2(56.22,48.05) 55.18,47.87 53.39,45.31 ; 49.1,55.79 48.04,54.28 v2(48.26,53.06) 48.83,49.83 49.84,49.12 52.09,49.51 53.27,48.69 53.77,45.85
  Bottom w0.254: 59.85,46.45 57.29,48.24 v2(56.22,48.05)
Net-(D8-A): length 25.5
  Top w0.254: 72.48,49.15 71.98,51.99 70.8,52.81 68.55,52.42 67.54,53.13 v2(66.97,56.36) 66.75,57.58 67.81,59.09 ; v2(67.83,61.88) 67.41,61.28 67.8,59.09 ; 72.11,48.61 73.89,51.17 v2(74.93,51.35)
  Bottom w0.254: v2(74.93,51.35) 76,51.54 78.56,49.75
Net-(D9-A): length 25.3
  Top w0.254: 91.62,59.64 93.66,61.99 v2(94.72,62.06) ; 88.44,70.5 87.23,69.11 v2(87.32,67.88) 87.55,64.6 88.48,63.79 90.76,63.95 91.85,63.01 92.05,60.13 ; 88.43,70.51 88.24,73.13 v2(88.3,73.2)
  Bottom w0.254: 98.15,60.09 95.8,62.14 v2(94.72,62.06)
Net-(D10-A): length 24.8
  Top w0.254: 109.11,75.71 107.81,74.41 v2(107.81,73.17) 107.81,69.89 108.68,69.01 110.97,69.01 111.99,67.99 111.99,65.11 ; 111.52,64.65 113.73,66.85 v2(114.78,66.85)
  Bottom w0.254: v2(114.78,66.85) 115.87,66.85 118.07,64.65 ; 107.8,73.18 107.73,73.11 v2(105.65,73.11)
Net-(D11-A): length 30.7
  Top w0.254: 128.11,66.21 126.81,64.91 v2(126.81,63.67) 126.81,60.39 127.68,59.51 129.97,59.51 130.99,58.49 130.99,55.61 ; 130.52,55.15 132.73,57.35 v2(133.78,57.35)
  Bottom w0.254: 137.07,55.15 134.87,57.35 v2(133.78,57.35) ; SW11.2 126.8,68.6 v2(124.58,70.83)
Net-(D12-A): length 24.8
  Top w0.254: 149.52,52.77 151.73,54.97 v2(152.78,54.97) ; 149.99,53.23 149.99,56.12 148.97,57.13 146.68,57.13 145.81,58.01 v2(145.81,61.29) 145.81,62.53 147.11,63.83
  Bottom w0.254: 145.8,61.3 143.74,61.3 v2(143.63,61.41) D12.2 ; 156.07,52.77 153.87,54.97 v2(152.78,54.97)
Net-(D13-A): length 7.4
  Bottom w0.254: 50.96,31.94 51.79,27.18 52.48,26.7 54.16,27
  vias: v2(51.88,39.73)
Net-(D14-A):
  vias: v2(68.11,36.92)
Net-(D15-A):
  vias: v2(89.24,54.29)
Net-(D16-A):
  vias: v2(105.53,54.19)
Net-(D17-A):
  vias: v2(124.45,51.78)
Net-(D18-A): length 22.6
  Top w0.254: 149.99,34.23 149.99,37.12 148.97,38.13 146.68,38.13 145.81,39.01 v2(145.81,42.29) 145.81,43.53 147.11,44.83 ; v2(152.78,35.97) 151.73,35.97 149.52,33.77
  Bottom w0.254: v2(152.78,35.97) 153.87,35.97 156.07,33.77
  vias: v2(143.5,42.24)
Net-(D19-A): length 42
  Top w0.254: 121.8,18.57 119.75,16.52 REF2.S2 ; 121.8,18.57 121.8,18.72 120.5,20.02 ; 121.8,18.57 123.8,16.57 124.3,16.57
  Bottom w0.254: REF2.S2 117,17.82 115.7,17.82 114.3,19.22 114.3,30.07 114.37,30.15 127.22,30.15 128.3,29.07 128.3,28.97 129.5,27.77 REF1.S2
Net-(J1-Pin_4): length 99.3
  Top w0.254: v2(169.8,56.17) 174.5,56.17 174.95,56.62 174.95,56.97 ; v2(167.9,55.54) 165.37,55.54 162.9,53.07 v2(162.9,52.27) ; REF2.C REF1.C 122.03,30.24 120.7,31.57 120.7,32.97 121.4,33.67 137.5,33.67 141.2,29.97 159.2,29.97 v2(160.4,31.17)
  Top w0.4: 174.95,56.97 173.7,58.22 v1(173.7,58.47) 174.02,58.79 JP6.1 ; J1.2 171.05,58.65 v1(171.05,58.67) JP7.1
  Bottom w0.254: J1.2 169.8,57.4 v2(169.8,56.17) 169.17,55.54 v2(167.9,55.54) ; v2(162.9,52.27) 161.8,51.17 161.8,32.57 v2(160.4,31.17) ; 169.7,56.8 169.87,56.97
  Bottom w0.4: v1(173.7,58.47) 174.02,58.79 JP6.1 ; JP11.1 v1(171.05,58.67)
Net-(J1-Pin_5): length 111.8
  Top w0.254: v1(168.6,58.57) 168.3,58.87 JP8.1 ; v2(161.3,30.57) 159.5,28.77 139.5,28.77 v2(136.5,31.77) ; v2(115.6,26.57) 115.6,29.27 117.4,31.07 v2(118.2,31.07) ; REF1.A 127.11,30.51 v2(126.55,31.07) 127.25,31.77 v2(134,31.77) ; 177.49,56.97 177.49,56.36 176.7,55.57 168.7,55.57 168.2,56.07 v2(167.33,56.07) ; JP5.1 v1(176.8,58.47)
  Bottom w0.254: v2(115.6,26.57) 115.6,20.99 REF2.A ; 167.4,56.9 167.33,56.97 167.33,57.51 ; JP5.1 176.8,59.47 v1(176.8,58.47) 177.49,57.78 177.49,56.97 ; v2(161.3,30.57) 162.6,31.87 162.6,50.52 167.33,55.25 v2(167.33,56.07) J1.1 168.43,58.57 v1(168.6,58.57) 168.3,58.87 JP12.1 168.29,59.48 ; v2(118.2,31.07) v2(126.55,31.07) ; v2(134,31.77) v2(136.5,31.77)
unconnected-(PSW1-C-Pad3): length 1.9
  Top w0.254: v1(179.18,41.14) 179.17,41.14 PSW1.3
  Bottom w0.254: v1(179.18,41.14) 179.18,42.11

## Copper pours and planes (outline as drawn; the poured copper is in the pictures)
GND on Top, Bottom: 41.79,78.19 83.81,85.67 83.24,93.67 105.27,95.2 105.29,99.12 124.28,99.16 124.36,89.6 143.29,89.56 143.34,87.19 162.3,87.25 162.33,84.61 182.65,84.62 182.85,23.51 168.64,-1 152.69,8.27 115,13.32 104.44,27.93 51.04,21.91 41.29,77.8

Small or netless copper shapes (teardrops, artwork), in the pictures only: 65 on Top, 47 on Bottom

## Text on the board
B.Silkscreen: 6 | CS | GND | VCC | SCL | SDA | B+ | BLK | RED | I2C | BAT | Wireless corne pcb by Friction | ENC
F.Silkscreen: 6 | CS | SDA | SCL | VCC | GND | B+ | RED | BLK | I2C | BAT | Wireless corne pcb by Friction | ENC
